# Altium PCB AD-FMComms3_revA.PcbDoc (part 2 of 6)
Units mil, origin at the board's own origin, x right, y up, seen from the top; angles counter-clockwise.
Board outline 3311.81 x 2716.54 mil, 10 copper layers (TOP, L2_GND, L3_PWR, L4_GND, L5_SIG, L6_SIG, L7_GND, L8_PWR, L9_GND, BOTTOM), stack 60.05 mil thick; 211 components, 138 nets, 808 pads, 812 vias.
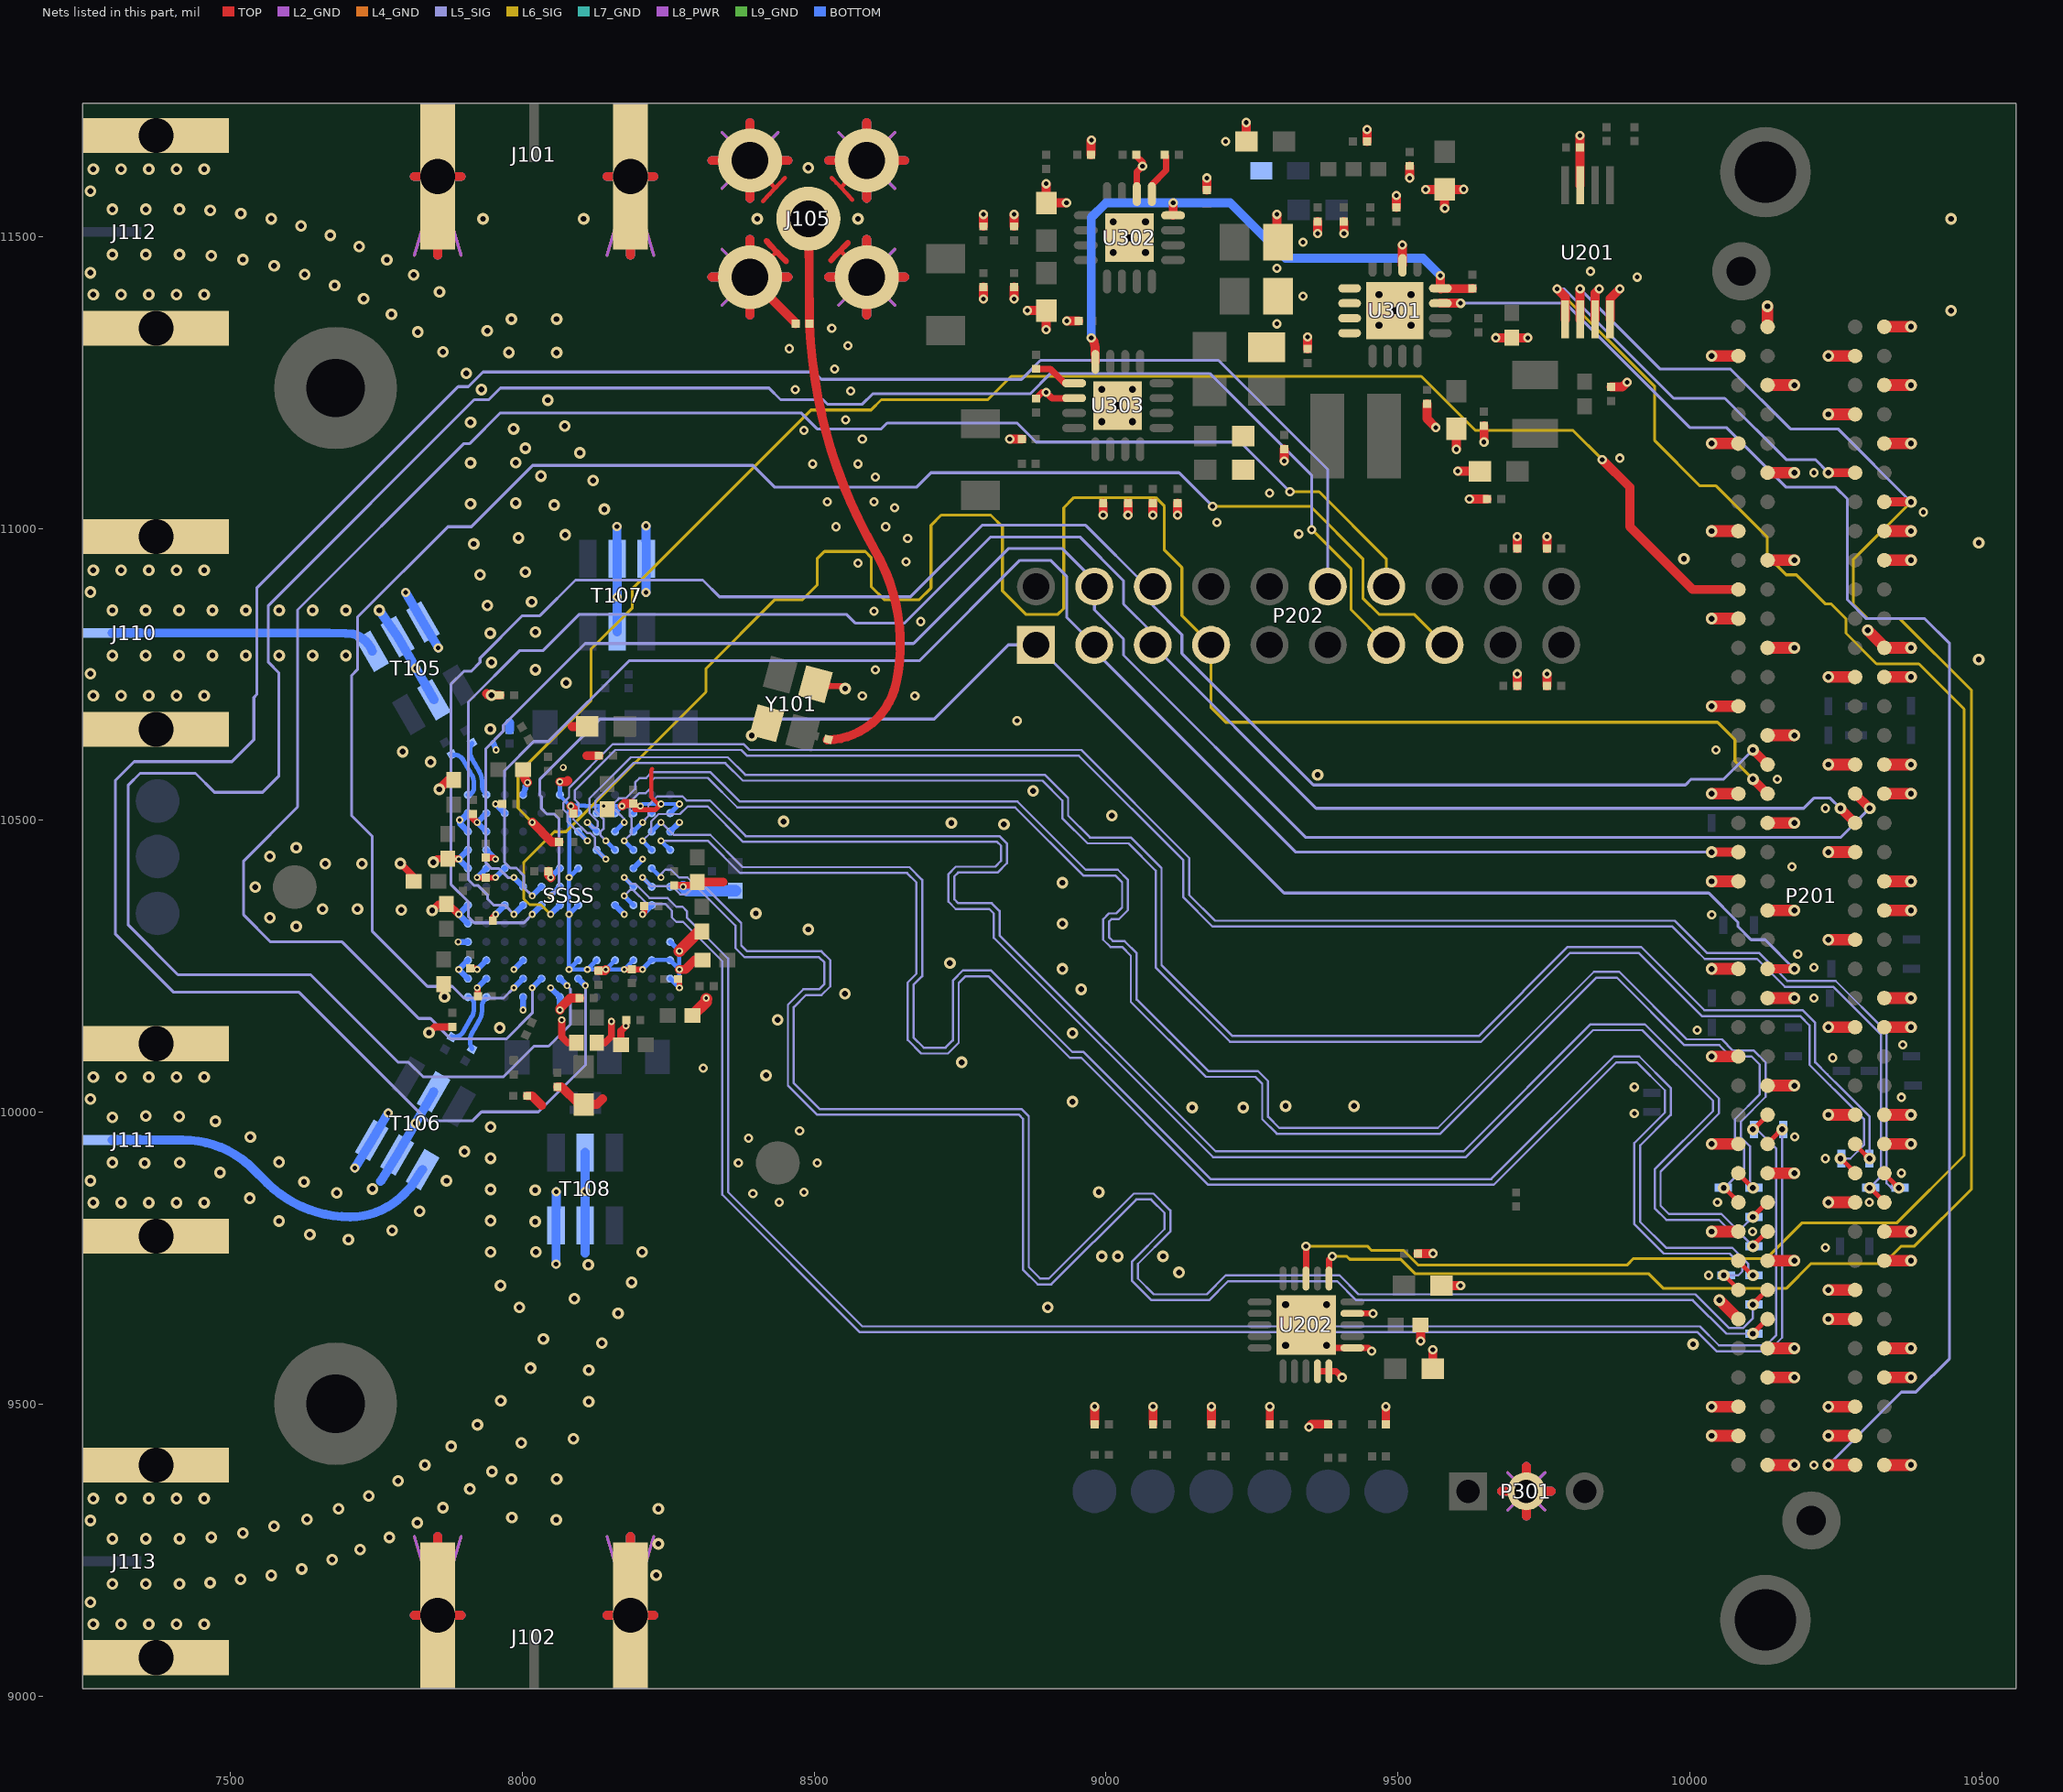
[diagram p10: the nets of this part, all layers, seen from the top]

## Via types
v1: diameter 20, hole 10, TOP to BOTTOM, 458 vias
v2: diameter 16, hole 8, TOP to BOTTOM, 196 vias
v3: diameter 12, hole 6, TOP to BOTTOM, 135 vias
v4: diameter 28, hole 12, TOP to BOTTOM, 19 vias
v5: diameter 210, hole 160, TOP to BOTTOM, 2 vias
v6: diameter 155, hole 105, TOP to BOTTOM, 2 vias

## Nets (pads, with @x,y where several pads share a name; then routed paths per layer and width w, separated by ;. In a path a pad name is that pad's centre, name@x,y a point inside that pad or via, vN(x,y) a via of type N, cw(c..) or ccw(c..) an arc to the next point about the centre after c; other vN are vias at no path point) (continued)
CTRL_OUT4: P201.G24 P202.7 SSSS.F6 | length 3435.1
  TOP w15.5: v1(10108.27,10570.5) P201.G24@10133.27,10545.5
  L6_SIG w4.9: v3(8048.5,10339) 8032,10355.5 8012.5,10355.5 8002.5,10365.5 8002.5,10428 8055,10480.5 8075,10480.5 8314.5,10720 8314.5,10760 8432.5,10878 8480,10878 8505,10903 8505,10948 8517.5,10960.5 8587.5,10960.5 8597.5,10950.5 8597.5,10900.5 8620,10878 8680,10878 8700,10898 8700,11005.5 8717.5,11023 8802.5,11023 8822.5,11003 8822.5,10893 8862.5,10853 8917.5,10853 8927.5,10863 8927.5,11035.5 8945,11053 9085,11053 9100,11038 9100,10963 9130,10933 9130,10850.5 P202.7@9180,10800.5 9180,10693 9205,10668 10047.5,10668 10077.5,10638 10077.5,10601.27 v1(10108.27,10570.5)
  BOTTOM w10: v3(8048.5,10339) SSSS.F6@8064.25,10354.75
CTRL_OUT5: P201.G25 P202.6 SSSS.F5 | length 3184.6
  TOP w15.5: v1(10108.27,10620.5) P201.G25@10133.27,10595.5
  L5_SIG w4.9: v3(8017.01,10339) 8002.51,10324.5 7917.5,10324.5 7907.5,10334.5 7907.5,10360.5 7877.5,10390.5 7877.5,10733 7900,10755.5 7912.5,10755.5 7927.5,10770.5 7927.5,10778 8000,10850.5 8030,10850.5 8091,10911.5 8309,10911.5 8337.5,10883 8665,10883 8787.5,11005.5 8965,11005.5 9070,10900.5 P202.6@9080,10900.5 9080,10868 9130,10818 9130,10785.82 9355.27,10560.55 9992.5,10560.55 10002.45,10570.5 10058.27,10570.5 v1(10108.27,10620.5)
CTRL_OUT6: P201.D23 P202.5 SSSS.F4 | length 3169.1
  TOP w15.5: v1(10258.27,10520.5) P201.D23@10283.27,10495.5
  L5_SIG w4.9: 7909.07,10396.42 7916.94,10388.55 7923.5,10388.55 7940.56,10371.49 7940.56,10364.92 7948.43,10357.05 7950.72,10354.78 7969.73,10354.78 v3(7985.51,10339) ; 7909.07,10396.43 7907.5,10398 7907.5,10703 7995,10790.5 8035,10790.5 8097.5,10853 8555,10853 8570,10838 8655,10838 8802.5,10985.5 8955,10985.5 9030,10910.5 9030,10870.5 9080,10820.5 P202.5@9080,10800.5 9360,10520.5 10195,10520.5 10212.5,10538 10240.77,10538 v1(10258.27,10520.5)
CTRL_OUT7: P201.D24 P202.4 SSSS.G4 | length 3101.5
  TOP w15.5: P201.D24@10283.27,10545.5 v1(10308.27,10520.5)
  L5_SIG w4.9: v3(7985.51,10402) 7975.28,10402 7960,10417.28 7947.5,10417.28 7937.5,10427.28 7937.5,10623 7967.5,10653 7967.5,10663 8107.5,10803 8670,10803 8832.5,10965.5 8925,10965.5 8980,10910.5 P202.4@8980,10900.5 8980,10860.5 9030,10810.5 9030,10783 9342.5,10470.5 10258.27,10470.5 v1(10308.27,10520.5)
  BOTTOM w10: v3(7985.51,10402) SSSS.G4@8001.26,10386.25
DATA_CLK_N: P201.G7 SSSS.H11 TP213.1 | length 2989.6
  TOP w8: v1(10108.27,9670.5) 10112.27,9676.96 10113.91,9676.96 10132.45,9695.5 P201.G7@10133.27,9695.5
  L5_SIG w3.8: v3(8237.47,10402) 8237.47,10407.97 8245,10415.5 8255,10415.5 8268.5,10402 8282.78,10402 8292.5,10392.28 8306.65,10392.28 8375,10323.93 8375,10285.5 8385,10275.5 8512.5,10275.5 8527.5,10260.5 8527.5,10215.5 8512.5,10200.5 8485.5,10200.5 8465,10180 8465,10049.65 8509.15,10005.5 8855,10005.5 8867.5,9993 8867.5,9734.65 8887.07,9715.08 8902.08,9715.08 9047.5,9860.5 9081.2,9860.5 9110,9831.7 9110,9795.5 9054.57,9740.07 9054.57,9715.08 9081.65,9688 9172.5,9688 9205,9720.5 9400,9720.5 9432.5,9688 10009.28,9688 10066.78,9630.5 10091.83,9630.5 10108.27,9646.94 v1(10108.27,9670.5)
  BOTTOM w8: SSSS.H11@8221.73,10417.74 v3(8237.47,10402)
DATA_CLK_P: P201.G6 SSSS.G11 TP212.1 | length 2987.6
  TOP w8: v1(10108.27,9620.5) 10112.27,9626.96 10113.91,9626.96 10132.45,9645.5 P201.G6@10133.27,9645.5
  L5_SIG w3.8: v3(8205.99,10401.99) 8220.69,10387.28 8256.22,10387.28 8270.15,10373.35 8280.85,10373.35 8289.78,10382.28 8302.5,10382.28 8365,10319.78 8365,10281.35 8380.85,10265.5 8508.35,10265.5 8517.5,10256.35 8517.5,10219.65 8508.35,10210.5 8481.35,10210.5 8455,10184.15 8455,10045.5 8505,9995.5 8850.85,9995.5 8857.5,9988.85 8857.5,9730.5 8882.92,9705.08 8906.23,9705.08 9051.65,9850.5 9077.05,9850.5 9100,9827.55 9100,9799.65 9044.57,9744.22 9044.57,9710.93 9077.5,9678 9176.65,9678 9209.15,9710.5 9395.85,9710.5 9428.35,9678 10005.13,9678 10062.63,9620.5 v1(10108.27,9620.5)
  BOTTOM w8: v3(8205.99,10401.99) SSSS.G11@8221.73,10386.25
EN_AGC: P201.H22 P202.3 SSSS.G5 | length 2779.5
  TOP w15.5: v1(10037.45,10445.5) P201.H22@10083.27,10445.5
  L5_SIG w4.9: v3(8017.01,10370.5) 8002.5,10385.01 8002.5,10405.5 7989.75,10418.25 7979.5,10418.25 7969.5,10428.25 7969.5,10585 8019.5,10635 8044.5,10635 8182.95,10773.45 8680.45,10773.45 8852.5,10945.5 8905,10945.5 8932.5,10918 8932.5,10848 P202.3@8980,10800.5 8980,10790.5 9325,10445.5 v1(10037.45,10445.5)
  BOTTOM w10: v3(8017.01,10370.5) SSSS.G5@8032.76,10386.25
ENABLE: P201.G18 P202.1 SSSS.G6 | length 2773.3
  TOP w15.5: P201.G18@10133.27,10245.5 v1(10179.09,10245.5)
  L5_SIG w4.9: v3(8048.5,10370.5) 8062.5,10384.5 8062.5,10503 8055,10510.5 8042.5,10510.5 8032.5,10520.5 8032.5,10540.5 8030,10543 8030,10570.5 8133,10673.5 8705.5,10673.5 8832.5,10800.5 P202.1@8880,10800.5 9305,10375.5 10032.5,10375.5 10082.5,10325.5 10082.5,10318 10105,10295.5 10129.09,10295.5 v1(10179.09,10245.5)
  BOTTOM w10: v3(8048.5,10370.5) SSSS.G6@8064.25,10386.25
FB_CLK_N: P201.G13 SSSS.G10 TP217.1 | length 2985.2
  TOP w8: v1(10108.27,9970.5) 10114.73,9974.5 10114.73,9976.14 10133.27,9994.68 P201.G13@10133.27,9995.5
  L5_SIG w3.8: v3(8174.49,10402) 8185.24,10391.25 8193.4,10391.25 8217.9,10366.75 8248.75,10366.75 8263.16,10352.33 8263.59,10351.9 8274.33,10351.9 8281.88,10344.35 8281.88,10333.62 8352.5,10263 8352.5,9863 8582.5,9633 10017.5,9633 10050,9600.5 10130.85,9600.5 10148.27,9617.92 10148.27,9937.23 10115,9970.5 v1(10108.27,9970.5)
  BOTTOM w8: v3(8174.49,10402) SSSS.G10@8190.24,10386.25
FB_CLK_P: P201.G12 SSSS.F10 TP216.1 | length 2981.8
  TOP w8: P201.G12@10133.27,9945.5 10133.27,9946.32 10151.81,9964.86 10151.81,9966.5 v1(10158.27,9970.5)
  L5_SIG w3.8: v3(8174.49,10370.5) 8185.24,10381.25 8189.25,10381.25 8213.75,10356.75 8244.6,10356.75 8256.07,10345.27 8256.07,10333.65 8263.62,10326.1 8275.25,10326.1 8342.5,10258.85 8342.5,9858.85 8578.35,9623 10013.35,9623 10045.85,9590.5 10135,9590.5 10158.27,9613.77 v1(10158.27,9970.5)
  BOTTOM w8: v3(8174.49,10370.5) SSSS.F10@8190.24,10354.75
GA0: P201.C34 U201.2 U202.11 | length 3379.1
  TOP w11: U202.11@9381.87,9715 9381.87,9747.37 v2(9387.5,9753)
  TOP w15.5: U201.2@9812.2,11358.04 v2(9812.2,11410.2) ; P201.C34@10333.27,11045.5 v1(10379.09,11045.5)
  L5_SIG w4.9: v2(9812.2,11410.2) 9949.4,11273 10070,11273 10172.5,11170.5 10254.09,11170.5 v1(10379.09,11045.5)
  L6_SIG w4.9: v2(9387.5,9753) 9412.5,9753 9417.5,9748 9505,9748 9530,9723 9930,9723 9955,9698 10165,9698 10207.5,9740.5 10332.5,9740.5 10362.5,9770.5 10385,9770.5 10482.5,9868 10482.5,10723 10360,10845.5 10305,10845.5 10280,10870.5 10280,10946.41 v1(10379.09,11045.5)
GA1: P201.D35 U201.1 U202.13 | length 3822.3
  TOP w11: U202.13@9342.5,9715 v2(9342.5,9770.5)
  TOP w15.5: v2(9772.5,11410.5) 9786.61,11396.39 U201.1@9786.61,11358.04 ; v1(10237.45,11095.5) P201.D35@10283.27,11095.5
  L5_SIG w4.9: v2(9772.5,11410.5) 9785,11410.5 9972.5,11223 10060,11223 10165,11118 10214.95,11118 v1(10237.45,11095.5)
  L6_SIG w4.9: v2(9342.5,9770.5) 9447.5,9770.5 9455,9763 9510,9763 9535,9738 9892.5,9738 9903.75,9749.25 10131.25,9749.25 10192.5,9810.5 10355,9810.5 10470,9925.5 10470,10690.5 10392.5,10768 10320,10768 10267.5,10820.5 10267.5,10845.5 10242.5,10870.5 10232.5,10870.5 10182.5,10920.5 10165,10920.5 10132.5,10953 10132.5,10985.5 10045,11073 10017.5,11073 9940,11150.5 9940,11243 v2(9772.5,11410.5)
GND_POWER: C104.1 C105.2 C116.2 C117.2 C118.1 C119.2 C120.1 C121.2 C201.2 C202.1 C203.1 C204.1 C211.1 C212.2 C213.2 C214.2 C301.2 C302.2 C303.2 C304.2 C305.1 C306.2 C307.2 C308.1 C309.1 C310.2 C311.2 C312.2 C313.2 C314.2 C315.2 C316.2 C317.2 C318.2 C319.2 C320.2 C321.2 C322.2 C323.2 C324.2 C325.2 C326.2 C327.2 C328.2 C329.2 C330.2 C331.2 C332.2 C333.2 C334.2 C335.2 C336.2 C337.2 C338.2 C339.2 C340.2 C341.2 C342.2 C343.2 C344.2 C345.2 C346.2 C347.2 C348.2 C354.2 C355.2 C356.2 C357.2 C358.2 C359.2 C360.2 C361.2 C362.2 C363.2 C364.2 C365.2 DS21.C J101.2 J101.3 J101.4 J101.5 J102.2 J102.3 J102.4 J102.5 J105.2 J105.3 J105.4 J105.5 J110.2 J110.3 J110.4 J110.5 J111.2 J111.3 J111.4 J111.5 J112.2 J112.3 J112.4 J112.5 J113.2 J113.3 J113.4 J113.5 P201.C1 P201.C4 P201.C5 P201.C8 P201.C9 P201.C12 P201.C13 P201.C16 P201.C17 P201.C20 P201.C21 P201.C24 P201.C25 P201.C28 P201.C29 P201.C32 P201.C33 P201.C36 P201.C38 P201.C40 P201.D2 P201.D3 P201.D6 P201.D7 P201.D10 P201.D13 P201.D16 P201.D19 P201.D22 P201.D25 P201.D28 P201.D37 P201.D39 P201.G1 P201.G4 P201.G5 P201.G8 P201.G11 P201.G14 P201.G17 P201.G20 P201.G23 P201.G26 P201.G29 P201.G32 P201.G35 P201.G38 P201.G40 P201.H2 P201.H3 P201.H6 P201.H9 P201.H12 P201.H15 P201.H18 P201.H21 P201.H24 P201.H27 P201.H30 P201.H33 P201.H36 P201.H39 P301.2 R101.1 R102.1 R110.1 R111.1 R125.2 R201.2 R202.2 R203.2 R204.2 R206.1 R214.1 R218.1 R220.1 R222.1 R224.1 R302.1 R308.1 R312.1 SSSS.A4 SSSS.A6 SSSS.B1 SSSS.B2 SSSS.B12 SSSS.C1 SSSS.C2 SSSS.C4 SSSS.C7 SSSS.C8 SSSS.C9 SSSS.C10 SSSS.C11 SSSS.C12 SSSS.D1 SSSS.D12 SSSS.E1 SSSS.F1 SSSS.F3 SSSS.F7 SSSS.F9 SSSS.F11 SSSS.G12 SSSS.H1 SSSS.H2 SSSS.H3 SSSS.H6 SSSS.H7 SSSS.H10 SSSS.J1 SSSS.J2 SSSS.K1 SSSS.K2 SSSS.K12 SSSS.L1 SSSS.L2 SSSS.L3 SSSS.L7 SSSS.L8 SSSS.L9 SSSS.L10 SSSS.L11 SSSS.L12 SSSS.M4 SSSS.M6 T105.1 T105.2 T105.5 T106.1 T106.2 T106.5 T107.1 T107.2 T107.5 T108.1 T108.2 T108.5 U201.3 U201.4 U201.7 U202.4 U202.5 U202.6 U202.9 U202.PAD U301.2 U301.5 U301.6 U301.7 U301.8 U301.PAD U302.6 U302.PAD U303.6 U303.PAD Y101.2 Y101.4 | length 26431.7
  TOP w7: 8222.5,10588 8220.49,10585.99 8220.49,10540.01 v3@8232.5,10528 ; v3(8315,10195.5) 8315,10194.09 v3@8315.34,10193.75 ; J105.4@8390,11430.5 cw(c9178.1,10642.4) 8435.9,11473.87 ; J105.3@8390,11630.5 cw(c7978.33,11218.83) 8432.76,11582.75 ; 8412.5,11560.5 cw(c9051.24,10999.24) 8432.76,11582.75 ; 8450,11600.5 ccw(c9051.26,10999.26) 8432.76,11582.75 ; 8530,11600.5 cw(c8003.73,11074.27) 8545.95,11584.05 ; 8544.58,11475.98 ccw(c43018.39,45858.89) 8590,11430.5 ; 8565,11563 ccw(c8003.76,11074.23) 8545.95,11584.05 ; J105.2@8590,11630.5 ccw(c9443.75,10776.75) 8545.95,11584.05
  TOP w9: 8192.5,10518 8227.5,10518 v3(8237.48,10527.98)
  TOP w10: C325.2@7910.75,10246.25 7920.79,10246.25 v3(7922.52,10244.52) ; v3(7922.52,10213.02) 7923.75,10211.79 C202.1@7923.75,10198.25 ; v3(7922.52,10402) 7922.74,10401.78 C116.2@7937.5,10401.78 7953.8,10401.78 v3(7954.01,10401.99) ; C329.2@7937.5,10436 7951.5,10436 v3(7954.01,10433.49) ; C322.2@7949.5,10328 7949.5,10334.48 v3(7954.02,10339) ; v3(7954.02,10527.98) C333.2@7965.5,10528 ; v3(8174.5,10244.51) 8187.01,10244.51 C321.2@8187.5,10245 8187.99,10244.51 v3(8205.99,10244.51) ; v3(8177.5,10148) 8178,10147.5 C337.2@8178,10158 ; v3(8205.99,10339.01) 8209,10342.02 C330.2@8209,10353 ; C104.1@8267,10228 8268.98,10226.02 v3(8268.98,10213.02) ; v1(8392.99,10645.37) 8399.65,10649.22 Y101.4@8411.33,10662.83 ; 8418.06,11492.75 ccw(c9342.65,12348.54) 8435.9,11473.87 ccw(c9342.68,12348.51) 8451.81,11457.67 ; Y101.4@8419.05,10666.09 8414.58,10666.09 Y101.4@8411.33,10662.84 ; Y101.2@8502.33,10733.45 8506.04,10729.74 8532.29,10729.74 ; Y101.2@8507.13,10734.42 8512.93,10734.93 8532.29,10729.74 ; 8528.96,11459.5 cw(c9348.46,10698.41) 8544.58,11475.98 cw(c9348.49,10698.45) 8557.64,11489.26 ; v1(8553.11,10725.69) 8549.06,10729.74 8532.29,10729.74 ; U202.9@9422,9655.19 v2(9457.19,9655.19) ; Y101.4@8411.33,10662.83 8415.33,10662.83 Y101.4@8411.33,10662.84
  TOP w11: C340.2@8880,11222.5 8890.5,11233 v2(8897.5,11233) 8907.2,11223.3 U303.6@8945.2,11223.3 ; C311.2@9052,11640.5 9052,11638 9062.5,11627.5 v2(9062.5,11620.5) 9052.8,11610.8 U302.6@9052.8,11572.8 ; U202.PAD@9342.5,9635.5 v4(9377.5,9600.5) 9381.87,9596.13 U202.6@9422,9596.13 9449.37,9596.13 v2(9455,9590.5) ; U202.4@9362.19,9556 U202.5@9381.87,9556 9394,9556 v2(9404.5,9545.5)
  TOP w12: v1(7790.99,10426.09) 7813.75,10403.33 C117.2@7813.75,10395.5 ; v1(7840.11,10136.37) 7849.74,10146 C203.1@7880,10146 ; v1(7845.49,10345.77) 7856.47,10356.75 C323.2@7870,10356.75 7873.27,10356.75 v3(7891.02,10339) ; v1(7847.64,10428.24) 7853.65,10434.25 C328.2@7872.5,10434.25 7890.26,10434.25 v3(7891.02,10433.49) ; C324.2@7865,10219.25 7865,10198.97 v1(7866.64,10197.33) ; C326.2@7915,10511 7915,10504.02 v3(7922.54,10496.48) ; v3(8067.5,10158) 8067.5,10129 8077.25,10119.25 C358.2@8092.5,10119.25 ; C361.2@8127.5,10119.25 8141.75,10119.25 8152.5,10130 v3(8152.5,10155.5) ; C336.2@8168.75,10115.5 8168.75,10139.25 v3(8177.5,10148) ; C356.2@8260,10388.5 8273.25,10388.5 v3(8275.5,10386.25) 8277.75,10388.5 8294.25,10388.5 C357.2@8300,10394.25
  TOP w14: R224.1@9280.5,9465.5 v2(9280.5,9495.5) ; R222.1@9479.5,9465.5 v2(9479.5,9495.5)
  TOP w15.5: 7814.98,9138 J102.4@7855,9138 ; 7814.98,11603 J101.2@7855,11603 ; 7855,9273.02 J102.4@7855,9138 ; 7855,11467.98 J101.2@7855,11603 ; v1(7857.5,10553) 7873.75,10569.25 C327.2@7882.5,10569.25 ; 7895.02,9138 J102.4@7855,9138 ; 7895.02,11603 J101.2@7855,11603 ; v1@7938.7,10717.22 7941.67,10714.25 v1(7947,10714.25) R101.1@7961.75,10714.25 ; C332.2@8001.25,10586.75 ccw(c8037.04,10586.75) v3(8008.88,10564.66) ; R102.1@8008.25,10028 8016.5,10028 8033,10011.5 ; R111.1@8044.5,10413 8044.5,10405.99 v3(8048.5,10401.99) ; C120.1@8060,10043.5 8067,10043.5 8097.25,10013.25 C121.2@8102.25,10013.25 ; v3(8064.25,10175) 8064.25,10177.79 8081.96,10195.5 C360.2@8098,10195.5 ; v3(8064.24,10566) 8075.5,10566 8077.5,10568 ; v3(8082.98,10524.24) 8087,10520.22 C204.1@8087,10511.75 ; 8085.26,10660.76 C119.2@8111,10660.76 ; C121.2@8105,10013.25 8127.75,10013.25 8137.5,10023 ; 8110.26,10610.76 C118.1@8131.25,10610.76 ; C359.2@8130,10242.5 8140.99,10242.5 v3(8143,10244.51) ; 8144.98,9138 J102.2@8185,9138 ; 8144.98,11603 J101.4@8185,11603 ; v3(8170.75,10524.5) 8174.75,10528.5 C334.2@8190,10528.5 ; 8185,9273.02 J102.2@8185,9138 ; 8185,11467.98 J101.4@8185,11603 ; 8225.02,9138 J102.2@8185,9138 ; 8225.02,11603 J101.4@8185,11603 ; v3(8268.98,10244.52) 8279.02,10244.52 8295,10260.5 C105.2@8308.75,10260.5 ; C320.2@8291.25,10165.5 C320.2@8293,10165.5 ; C357.2@8300,10394.25 8343.75,10394.25 ; 8324.98,11430.5 J105.4@8390,11430.5 ; 8324.98,11630.5 J105.3@8390,11630.5 ; 8390,11365.48 J105.4@8390,11430.5 ; 8390,11495.52 J105.4@8390,11430.5 ; 8390,11565.48 J105.3@8390,11630.5 ; 8390,11695.52 J105.3@8390,11630.5 ; 8455.02,11430.5 J105.4@8390,11430.5 ; 8455.02,11630.5 J105.3@8390,11630.5 ; R110.1@8468,11350.5 8468,11352.5 J105.4@8390,11430.5 ; 8524.98,11430.5 8590,11430.5 ; 8524.98,11630.5 J105.2@8590,11630.5 ; 8590,11365.48 8590,11430.5 ; 8590,11495.52 8590,11430.5 ; 8590,11565.48 J105.2@8590,11630.5 ; 8590,11695.52 J105.2@8590,11630.5 ; 8655.02,11430.5 8590,11430.5 ; 8655.02,11630.5 J105.2@8590,11630.5 ; v2(8790,11393) C339.2@8790,11413.5 ; C314.2@8790,11517.5 v2(8790,11538) ; v2(8835,11153) R308.1@8855.5,11153 ; v2(8842.5,11393) C338.2@8842.5,11413.5 ; C315.2@8842.5,11517.5 v2(8842.5,11538) ; v2(8865,11373.25) C313.2@8897.5,11373.25 v2(8897.5,11340.5) ; v2(8897.5,11590.5) C312.2@8897.5,11557.75 v2(8932.25,11557.75) ; v2(8932.5,11355.5) C310.2@8953,11355.5 ; R312.1@8974.5,11640.5 8974.5,11665 v2(8975,11665.5) ; R220.1@8980.5,9465.5 v2(8980.5,9495.5) ; v2(8995,11023) C346.2@8995,11043.5 ; v2(9037.5,11023) C343.2@9037.5,11043.5 ; v2(9080,11023) C345.2@9080,11043.5 ; R218.1@9080.5,9465.5 v2(9080.5,9495.5) ; v2(9122.5,11023) C344.2@9122.5,11043.5 ; C318.2@9172.5,11580 v2(9172.5,11600.5) ; R214.1@9180.5,9465.5 v2(9180.5,9495.5) ; v2(9240,11695.5) 9240.25,11695.25 C363.2@9240.25,11663 ; v2(9292.5,11538) 9292.5,11493 C309.1@9295,11490.5 ; v2(9305,11115.5) C306.2@9305,11136 ; C307.2@9345,11307.5 v2(9345,11328) ; v2(9347.5,9460.5) 9352.5,9465.5 R206.1@9380.5,9465.5 ; v2(9362.5,11505.5) C317.2@9362.5,11526 ; v2(9407.5,11505.5) C316.2@9407.5,11526 ; C348.2@9447,11663 v2(9447,11683.5) ; R302.1@9497.5,11550 v2(9497.5,11570.5) ; U301.2@9507.8,11450.72 v2(9507.8,11485.5) ; v2(9520,11600.5) C347.2@9520,11621 ; C211.1@9534.5,9758 v2(9560,9758) ; v2(9538.75,9608) C212.2@9538.75,9635.5 ; v2(9547.5,11580.5) 9547.75,11580.75 C362.2@9580,11580.75 ; C302.2@9550,11213.5 9550,11188 v2(9565,11173) ; C214.2@9559.75,9560.5 v2(9559.75,9593) ; C213.2@9574.75,9703 v2(9607.5,9703) ; v2(9580.25,11548.25) 9580,11548.5 C362.2@9580,11580.75 ; v2(9600,11135.5) C301.2@9600,11170.75 ; v2(9602.5,11098) C365.2@9640.25,11098 ; v2(9612.5,11581) 9612.25,11580.75 C362.2@9580,11580.75 ; v2(9622.5,11050.5) C364.2@9653,11050.5 ; v2(9647.5,11148) C303.2@9647.5,11176 ; v2(9667.5,11326.75) C304.2@9695,11326.75 v2(9722.5,11326.75) ; 9677.48,9350.5 P301.2@9720,9350.5 ; R201.2@9704.5,10730.5 v2(9704.5,10751) ; R202.2@9704.5,10965.5 v2(9704.5,10986) ; 9720,9307.98 P301.2@9720,9350.5 ; 9720,9393.02 P301.2@9720,9350.5 ; R203.2@9755.5,10730.5 v2(9755.5,10751) ; R204.2@9755.5,10965.5 v2(9755.5,10986) ; 9762.52,9350.5 P301.2@9720,9350.5 ; v2(9812,11673) C201.2@9812,11653 9812.2,11652.8 U201.7@9812.2,11587.96 ; U201.3@9837.8,11358.04 9837.8,11403.3 v2(9845,11410.5) ; U201.4@9863.39,11358.04 9863.39,11393.89 v2(9880,11410.5) ; C319.2@9865,11242.5 9884.5,11242.5 v2(9892.5,11250.5)
  TOP w20: v3(8268.98,10276.01) 8302.22,10309.25 C331.2@8307.5,10309.25 ; C320.2@8291.25,10165.5 8315,10189.25 8315,10193.75 v3@8315.34,10193.75 ; v1(10037.45,9445.5) P201.H2@10083.27,9445.5 ; v1(10037.45,9495.5) P201.H3@10083.27,9495.5 ; v1(10037.45,9795.5) P201.H9@10083.27,9795.5 ; v1(10037.45,9945.5) P201.H12@10083.27,9945.5 ; v1(10037.45,10095.5) P201.H15@10083.27,10095.5 ; v1(10037.45,10245.5) P201.H18@10083.27,10245.5 ; v1(10037.45,10395.5) P201.H21@10083.27,10395.5 ; v1(10037.45,10545.5) P201.H24@10083.27,10545.5 ; v1(10037.45,10695.5) P201.H27@10083.27,10695.5 ; v1(10037.45,10845.5) P201.H30@10083.27,10845.5 ; v1(10037.45,10995.5) P201.H33@10083.27,10995.5 ; v1(10037.45,11145.5) P201.H36@10083.27,11145.5 ; v1(10037.45,11295.5) P201.H39@10083.27,11295.5 ; v1(10050.87,9677.9) P201.H6@10083.27,9645.5 ; P201.G1@10133.27,9395.5 v1(10179.09,9395.5) ; P201.G4@10133.27,9545.5 v1(10179.09,9545.5) ; P201.G5@10133.27,9595.5 v1(10179.09,9595.5) ; P201.G8@10133.27,9745.5 v1(10179.09,9745.5) ; P201.G11@10133.27,9895.5 v1(10179.09,9895.5) ; P201.G14@10133.27,10045.5 v1(10179.09,10045.5) ; P201.G17@10133.27,10195.5 v1(10179.09,10195.5) ; P201.G20@10133.27,10345.5 v1(10179.09,10345.5) ; P201.G23@10133.27,10495.5 v1(10179.09,10495.5) ; P201.G26@10133.27,10645.5 v1(10179.09,10645.5) ; P201.G29@10133.27,10795.5 v1(10179.09,10795.5) ; P201.G32@10133.27,10945.5 v1(10179.09,10945.5) ; P201.G35@10133.27,11095.5 v1(10179.09,11095.5) ; P201.G38@10133.27,11245.5 v1(10179.09,11245.5) ; P201.G40@10133.27,11345.5 v1(10133.27,11380.5) ; v1(10237.45,9445.5) P201.D2@10283.27,9445.5 ; v1(10237.45,9495.5) P201.D3@10283.27,9495.5 ; v1(10237.45,9645.5) P201.D6@10283.27,9645.5 ; v1(10237.45,9695.5) P201.D7@10283.27,9695.5 ; v1(10237.45,9845.5) P201.D10@10283.27,9845.5 ; v1(10237.45,9995.5) P201.D13@10283.27,9995.5 ; v1(10237.45,10145.5) P201.D16@10283.27,10145.5 ; v1(10237.45,10295.5) P201.D19@10283.27,10295.5 ; v1(10237.45,10445.5) P201.D22@10283.27,10445.5 ; v1(10237.45,10595.5) P201.D25@10283.27,10595.5 ; v1(10237.45,10745.5) P201.D28@10283.27,10745.5 ; v1(10237.45,11195.5) P201.D37@10283.27,11195.5 ; v1(10237.45,11295.5) P201.D39@10283.27,11295.5 ; v1(10305,10825.5) 10333.27,10797.23 P201.C29@10333.27,10795.5 v1(10379.09,10795.5) ; P201.C1@10333.27,9395.5 v1(10379.09,9395.5) ; P201.C4@10333.27,9545.5 v1(10379.09,9545.5) ; P201.C5@10333.27,9595.5 v1(10379.09,9595.5) ; P201.C8@10333.27,9745.5 v1(10379.09,9745.5) ; P201.C9@10333.27,9795.5 v1(10379.09,9795.5) ; P201.C12@10333.27,9945.5 v1(10379.09,9945.5) ; P201.C13@10333.27,9995.5 v1(10379.09,9995.5) ; P201.C16@10333.27,10145.5 v1(10379.09,10145.5) ; P201.C17@10333.27,10195.5 v1(10379.09,10195.5) ; P201.C20@10333.27,10345.5 v1(10379.09,10345.5) ; P201.C21@10333.27,10395.5 v1(10379.09,10395.5) ; P201.C24@10333.27,10545.5 v1(10379.09,10545.5) ; P201.C25@10333.27,10595.5 v1(10379.09,10595.5) ; P201.C28@10333.27,10745.5 v1(10379.09,10745.5) ; P201.C32@10333.27,10945.5 v1(10379.09,10945.5) ; P201.C33@10333.27,10995.5 v1(10379.09,10995.5) ; P201.C36@10333.27,11145.5 v1(10379.09,11145.5) ; P201.C38@10333.27,11245.5 v1(10379.09,11245.5) ; P201.C40@10333.27,11345.5 v1(10379.09,11345.5)

## Text inside footprints (layer, text, board x,y; h text height)
U201: PIN_NUMBER "3" at 9826.13,11364.86 h25 r90; PIN_NUMBER "4" at 9851.72,11364.86 h25 r90; PIN_NUMBER "7" at 9800.54,11597.14 h25 r90; PIN_NUMBER "8" at 9774.95,11597.14 h25 r90; PIN_NUMBER "2" at 9800.54,11364.86 h25 r90; PIN_NUMBER "1" at 9774.95,11364.86 h25 r90; PIN_NUMBER "6" at 9826.13,11597.14 h25 r90; PIN_NUMBER "5" at 9851.72,11597.14 h25 r90; PAD_STACK_NAME "65X13" at 9725,11259.48 h50; PAD_STACK_NAME "TSSOP8" at 9705,11702.4 h50; DISPLAY_TOP "28SEP10" at 9994.6,11473 h31 r90; DISPLAY_TOP "QA/RGS" at 9967.63,11473 h31 r90; DISPLAY_TOP "14JUN02" at 9896.17,11473 h31 r90; DISPLAY_TOP "QA/PMA" at 9869.2,11473 h31 r90; DISPLAY_TOP "ADI/RRH" at 9610.74,11473 h31 r90; DISPLAY_TOP "14JUN02" at 9650.11,11473 h31 r90; ASSEMBLY_TOP "UPN" at 9862.39,11473 h25 r90; ASSEMBLY_TOP "M24C02-WDW6TP" at 9683.65,11473 h25 r90
U202: PIN_NUMBER "12" at 9330.52,9734 h25 r90; PIN_NUMBER "4" at 9350.52,9564 h25 r90; PIN_NUMBER "6" at 9410,9587.8 h25; PIN_NUMBER "9" at 9410,9646.85 h25; PIN_NUMBER "PAD" at 9312.5,9627.17 h25; PIN_NUMBER "5" at 9370.2,9564 h25 r90; PIN_NUMBER "16" at 9243,9666.54 h25; PIN_NUMBER "17" at 9243,9646.85 h25; PIN_NUMBER "10" at 9401,9666.54 h25; PIN_NUMBER "11" at 9350.2,9734 h25 r90; PIN_NUMBER "13" at 9310.83,9734 h25 r90; PIN_NUMBER "15" at 9271.46,9734 h25 r90; PIN_NUMBER "14" at 9291.15,9734 h25 r90; PIN_NUMBER "8" at 9410,9627.17 h25; PIN_NUMBER "18" at 9243,9627.17 h25; PIN_NUMBER "19" at 9243,9607.48 h25; PIN_NUMBER "20" at 9243,9587.8 h25; PIN_NUMBER "1" at 9291.46,9564 h25 r90; PIN_NUMBER "2" at 9311.15,9564 h25 r90; PIN_NUMBER "3" at 9330.83,9564 h25 r90; PIN_NUMBER "7" at 9410,9607.48 h25; PAD_STACK_NAME "QFN20_4X4_PAD2_6X2_6" at 8942.5,9845.21 h50; PAD_STACK_NAME "OB12X41_SM1X2" at 9082.5,9372.77 h50; PAD_STACK_NAME "102X102_SM2X2" at 9082.5,9441.67 h50; DISPLAY_TOP "14DEC11" at 9620.37,9635.5 h31 r90; DISPLAY_TOP "QA/RGS" at 9593.4,9635.5 h31 r90; DISPLAY_TOP "24SEP09" at 9541.63,9635.5 h31 r90; DISPLAY_TOP "0A/REP" at 9514.66,9635.5 h31 r90; DISPLAY_TOP "ADI/REP" at 9079.03,9635.5 h31 r90; DISPLAY_TOP "13MAY09" at 9118.4,9635.5 h31 r90; DISPLAY_TOP "QA/RGS" at 9435.91,9635.5 h31 r90; DISPLAY_TOP "14MAY09" at 9462.89,9635.5 h31 r90; ASSEMBLY_TOP "AD7291BCPZ" at 9231.15,9635.5 h25 r90; ASSEMBLY_TOP "UPN" at 9379.89,9635.5 h25 r90; NOTES "IS TO BE DETERMINED BY THE RESPONSIBLE ENGINEER AND THE LAYOUT PERSON." at 8642.5,9164.57 h25; NOTES "THE SIZE OF THE VIA BUMPS,QUANTITY AND THE LOCATION ON THE PADDLE PAD" at 8652.5,9203.94 h25; NOTES "TO CONVERT THIS NON-BUMPED FOOTPRINT SYMBOL TO A BUMPED VERSION;" at 8702.5,9322.05 h25; NOTES "REPLACE 102X102_SM2X2.PAD WITH 102X102_SM2X2_BUMP.PAD" at 8812.5,9243.31 h25; NOTES "REPLACE OB12X41_SM1X2.PAD WITH OB12X41_SM1X2_BUMP.PAD" at 8812.5,9282.68 h25
U301: PIN_NUMBER "2" at 9479.46,11442.72 h25 r270; PIN_NUMBER "5" at 9389.28,11419.72 h25 r180; PIN_NUMBER "6" at 9389.28,11394.13 h25 r180; PIN_NUMBER "7" at 9389.28,11368.54 h25 r180; PIN_NUMBER "8" at 9389.28,11342.95 h25 r180; PIN_NUMBER "PAD" at 9405,11381.33 h25 r180; PIN_NUMBER "15" at 9552.72,11394.13 h25 r180; PIN_NUMBER "16" at 9552.72,11419.72 h25 r180; PIN_NUMBER "4" at 9428.28,11442.72 h25 r270; PIN_NUMBER "9" at 9428.28,11287.28 h25 r270; PIN_NUMBER "10" at 9433.87,11276.28 h25 r270; PIN_NUMBER "11" at 9459.46,11276.28 h25 r270; PIN_NUMBER "1" at 9505.05,11442.72 h25 r270; PIN_NUMBER "3" at 9453.87,11442.72 h25 r270; PIN_NUMBER "14" at 9552.72,11368.54 h25 r180; PIN_NUMBER "13" at 9552.72,11342.95 h25 r180; PIN_NUMBER "12" at 9485.05,11276.28 h25 r270; PAD_STACK_NAME "QFN16_4X4_PAD2_5X2_5" at 9095,11163.29 h50 r180; PAD_STACK_NAME "98X98_SM2X2" at 9275,11645.57 h50 r180; PAD_STACK_NAME "OB14X39_SM2X2" at 9235,11566.83 h50 r180; DISPLAY_TOP "25NOV11" at 9053.38,11373 h31 r270; DISPLAY_TOP "QA/RGS" at 9105.15,11373 h31 r270; DISPLAY_TOP "24SEP09" at 9132.12,11373 h31 r270; DISPLAY_TOP "QA/REP" at 9183.89,11373 h31 r270; DISPLAY_TOP "31MAR08" at 9210.86,11373 h31 r270; DISPLAY_TOP "QA/EMY" at 9262.63,11373 h31 r270; DISPLAY_TOP "28MAR08" at 9535.66,11373 h31 r270; DISPLAY_TOP "ADI/GMC" at 9575.03,11373 h31 r270; ASSEMBLY_TOP "UPN" at 9392.69,11373 h25 r270; ASSEMBLY_TOP "ADP2164ACPZ" at 9389.46,11373 h25 r270; NOTES "IS TO BE DETERMINED BY THE RESPONSIBLE ENGINEER AND THE LAYOUT PERSON." at 8795,11853.78 h25 r180; NOTES "THE SIZE OF THE VIA BUMPS,QUANTITY AND THE LOCATION ON THE PADDLE PAD" at 8805,11814.41 h25 r180; NOTES "TO CONVERT THIS NON-BUMPED FOOTPRINT SYMBOL TO A BUMPED VERSION;" at 8855,11696.3 h25 r180; NOTES "REPLACE 98X98_SM2X2.PAD WITH 98X98_SM2X2_BUMP.PAD" at 9005,11775.04 h25 r180; NOTES "REPLACE OB14X39_SM2X2.PAD WITH OB14X39_SM2X2_BUMP.PAD" at 8965,11735.67 h25 r180
U302: PIN_NUMBER "8" at 8989.95,11580.8 h25 r90; PIN_NUMBER "6" at 9041.13,11580.8 h25 r90; PIN_NUMBER "PAD" at 8988.33,11528 h25 r90; PIN_NUMBER "5" at 9066.72,11580.8 h25 r90; PIN_NUMBER "9" at 8953.53,11544.39 h25 r90; PIN_NUMBER "7" at 9015.54,11580.8 h25 r90; PIN_NUMBER "3" at 9103.14,11518.8 h25 r90; PIN_NUMBER "15" at 9041.13,11423.2 h25 r90; PIN_NUMBER "1" at 9103.14,11467.61 h25 r90; PIN_NUMBER "2" at 9103.14,11493.2 h25 r90; PIN_NUMBER "16" at 9066.72,11423.2 h25 r90; PIN_NUMBER "4" at 9103.14,11544.39 h25 r90; PIN_NUMBER "11" at 8933.53,11504.2 h25 r90; PIN_NUMBER "12" at 8933.53,11478.61 h25 r90; PIN_NUMBER "10" at 8933.53,11529.8 h25 r90; PIN_NUMBER "13" at 8989.95,11423.2 h25 r90; PIN_NUMBER "14" at 9015.54,11423.2 h25 r90; PAD_STACK_NAME "QFN16_4X4_PAD2_1X2_1" at 8430.29,11498 h50 r90; PAD_STACK_NAME "83X83_SM2X2" at 9092.57,11498 h50 r90; PAD_STACK_NAME "OB14X41_SM2X2" at 8973.83,11498 h50 r90; DISPLAY_TOP "16NOV11" at 8953.2,11852.82 h31 r180; DISPLAY_TOP "QA/RGS" at 8965.6,11813.45 h31 r180; DISPLAY_TOP "24SEP09" at 8953.2,11774.08 h31 r180; DISPLAY_TOP "QA/REP" at 8965.6,11734.71 h31 r180; DISPLAY_TOP "06FEB08" at 8953.2,11695.34 h31 r180; DISPLAY_TOP "QA/SSD" at 8965.6,11655.97 h31 r180; DISPLAY_TOP "05FEB08" at 8953.2,11370.54 h31 r180; DISPLAY_TOP "ADI/GMC" at 8953.2,11331.17 h31 r180; ASSEMBLY_TOP "UPN" at 9010,11565.39 h25 r180; ASSEMBLY_TOP "ADP1755ACPZ" at 8930,11486.65 h25 r180; NOTES "IS TO BE DETERMINED BY THE RESPONSIBLE ENGINEER AND THE LAYOUT PERSON." at 8820.78,11498 h25 r90; NOTES "THE SIZE OF THE VIA BUMPS,QUANTITY AND THE LOCATION ON THE PADDLE PAD" at 8791.41,11498 h25 r90; NOTES "TO CONVERT THIS NON-BUMPED FOOTPRINT SYMBOL TO A BUMPED VERSION;" at 8723.3,11498 h25 r90; NOTES "REPLACE 83X83_SM2X2.PAD WITH 83X83_SM2X2_BUMP.PAD" at 8952.04,11498 h25 r90; NOTES "REPLACE OB14X41_SM2X2.PAD WITH OB14X41_SM2X2_BUMP.PAD" at 8872.67,11498 h25 r90
U303: PIN_NUMBER "8" at 8917.2,11180.45 h25 r180; PIN_NUMBER "6" at 8917.2,11231.63 h25 r180; PIN_NUMBER "PAD" at 8930,11218.83 h25 r180; PIN_NUMBER "15" at 9074.8,11231.63 h25 r180; PIN_NUMBER "16" at 9074.8,11257.22 h25 r180; PIN_NUMBER "1" at 9030.39,11293.64 h25 r180; PIN_NUMBER "2" at 9004.8,11293.64 h25 r180; PIN_NUMBER "3" at 8979.2,11293.64 h25 r180; PIN_NUMBER "5" at 8917.2,11257.22 h25 r180; PIN_NUMBER "4" at 8953.61,11293.64 h25 r180; PIN_NUMBER "9" at 8953.61,11144.03 h25 r180; PIN_NUMBER "7" at 8917.2,11206.04 h25 r180; PIN_NUMBER "10" at 8948.2,11144.03 h25 r180; PIN_NUMBER "13" at 9074.8,11180.45 h25 r180; PIN_NUMBER "14" at 9074.8,11206.04 h25 r180; PIN_NUMBER "11" at 8973.8,11144.03 h25 r180; PIN_NUMBER "12" at 8999.39,11144.03 h25 r180; PAD_STACK_NAME "QFN16_4X4_PAD2_1X2_1" at 8620,11000.79 h50 r180; PAD_STACK_NAME "83X83_SM2X2" at 8800,11483.07 h50 r180; PAD_STACK_NAME "OB14X41_SM2X2" at 8760,11404.33 h50 r180; DISPLAY_TOP "16NOV11" at 8578.38,11210.5 h31 r270; DISPLAY_TOP "QA/RGS" at 8630.15,11210.5 h31 r270; DISPLAY_TOP "24SEP09" at 8657.12,11210.5 h31 r270; DISPLAY_TOP "QA/REP" at 8708.89,11210.5 h31 r270; DISPLAY_TOP "06FEB08" at 8735.86,11210.5 h31 r270; DISPLAY_TOP "QA/SSD" at 8787.63,11210.5 h31 r270; DISPLAY_TOP "05FEB08" at 9060.66,11210.5 h31 r270; DISPLAY_TOP "ADI/GMC" at 9100.03,11210.5 h31 r270; ASSEMBLY_TOP "UPN" at 8922.61,11210.5 h25 r270; ASSEMBLY_TOP "ADP1755ACPZ" at 8921.35,11210.5 h25 r270; NOTES "IS TO BE DETERMINED BY THE RESPONSIBLE ENGINEER AND THE LAYOUT PERSON." at 8320,11691.28 h25 r180; NOTES "THE SIZE OF THE VIA BUMPS,QUANTITY AND THE LOCATION ON THE PADDLE PAD" at 8330,11651.91 h25 r180; NOTES "TO CONVERT THIS NON-BUMPED FOOTPRINT SYMBOL TO A BUMPED VERSION;" at 8380,11533.8 h25 r180; NOTES "REPLACE 83X83_SM2X2.PAD WITH 83X83_SM2X2_BUMP.PAD" at 8530,11612.54 h25 r180; NOTES "REPLACE OB14X41_SM2X2.PAD WITH OB14X41_SM2X2_BUMP.PAD" at 8490,11573.17 h25 r180
Y101: PIN_NUMBER "4" at 8409.05,10666.09 h25 r165; PIN_NUMBER "2" at 8492.33,10733.45 h25 r165; PIN_NUMBER "1" at 8469.91,10649.78 h25 r165; PIN_NUMBER "3" at 8431.47,10749.76 h25 r165; PAD_STACK_NAME "XTALNX3225" at 8073.6,10749.9 h50 r75; PAD_STACK_NAME "55X47" at 8579.97,10641.01 h50 r75; DISPLAY_TOP "29NOV07" at 8428.64,10912.68 h31 r165; DISPLAY_TOP "QA/JSM" at 8427.22,10864.23 h31 r165; DISPLAY_TOP "29NOV07" at 8331.58,10562.72 h31 r165; DISPLAY_TOP "ADI/GMC" at 8319.23,10519.76 h31 r165; ASSEMBLY_TOP "UPN" at 8448.13,10764.86 h25 r165; ASSEMBLY_TOP "40.000000MEGHZ" at 8317.75,10688.81 h25 r165